# Altium PCB BTF16.PcbDoc (part 1 of 4) (continued)
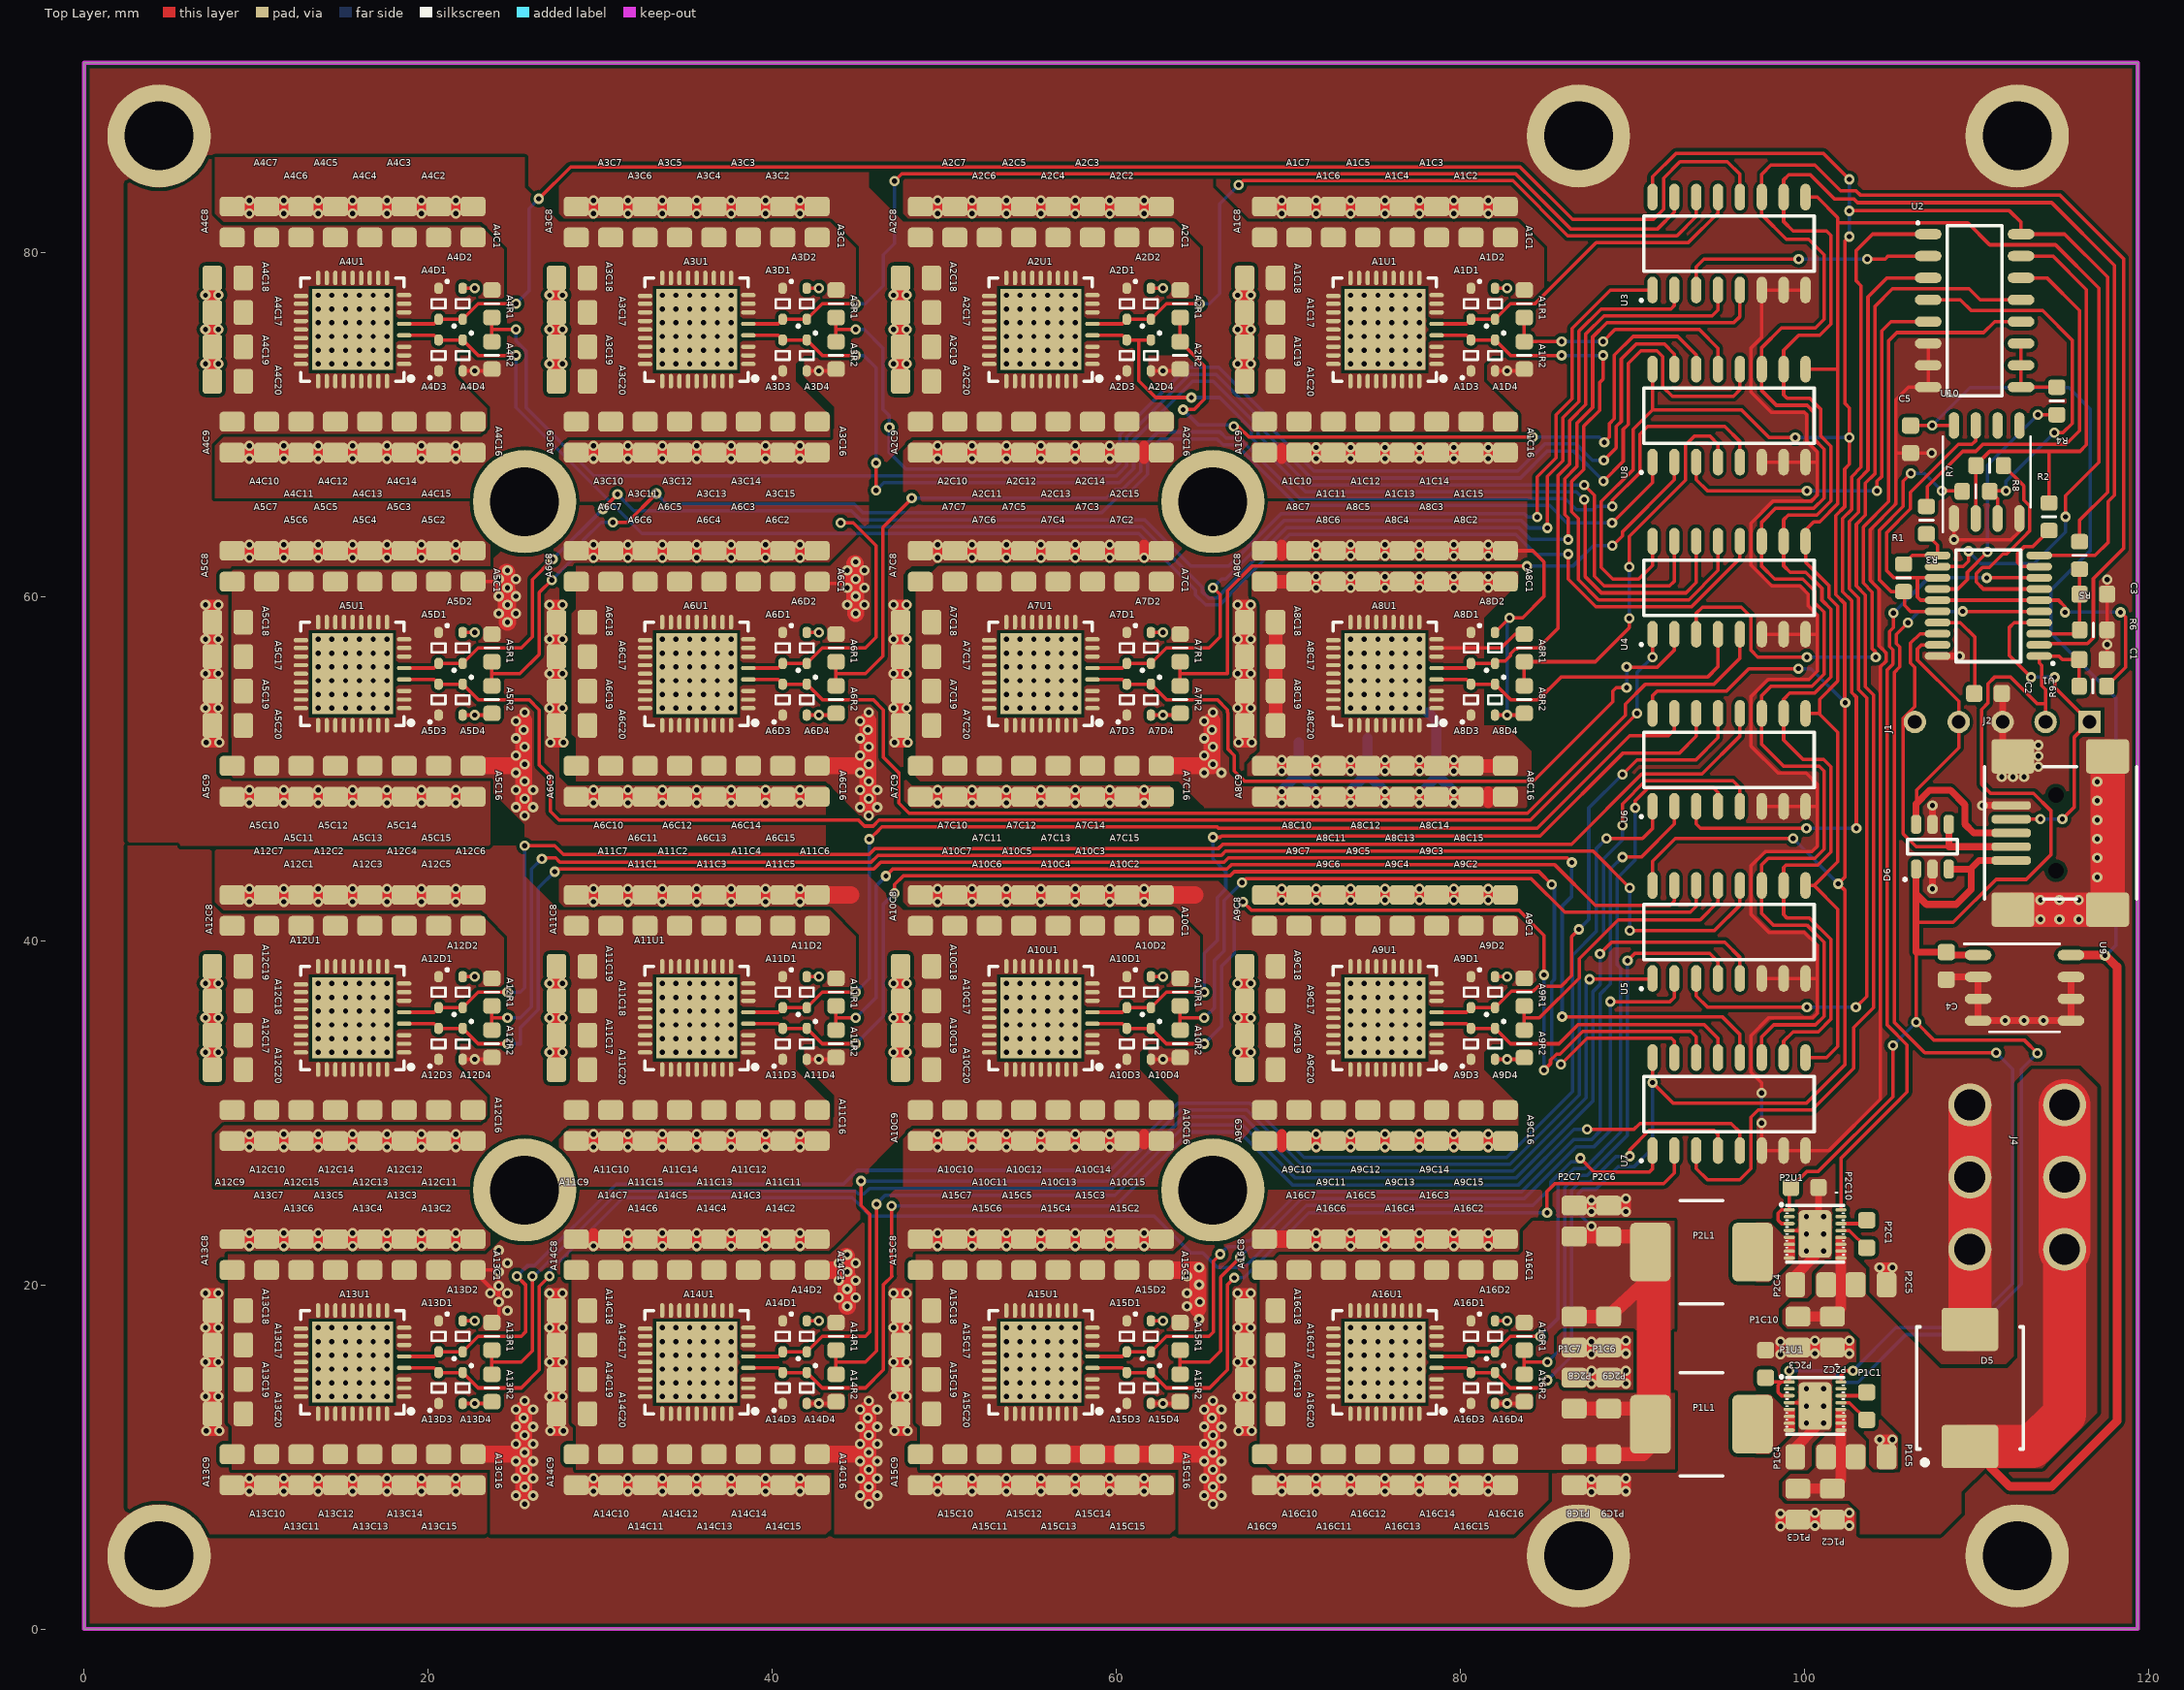
[diagram p0: Top Layer view]
## Components (designator, comment, footprint, x,y, rotation, side; value= is the part's Value field where it differs from the comment) (continued)
A4C12 "22uF" SMD_0805_CAPC2012X95N 14.6,69.25 r270 top (schematic designator C12)
A4C13 "22uF" SMD_0805_CAPC2012X95N 16.6,69.25 r270 top (schematic designator C13)
A4C14 "22uF" SMD_0805_CAPC2012X95N 18.6,69.25 r270 top (schematic designator C14)
A4C15 "22uF" SMD_0805_CAPC2012X95N 20.6,69.25 r270 top (schematic designator C15)
A4C16 "22uF" SMD_0805_CAPC2012X95N 22.6,69.25 r270 top (schematic designator C16)
A4C17 "22uF" SMD_0805_CAPC2012X95N 8.35,76.5 r180 top (schematic designator C17)
A4C18 "22uF" SMD_0805_CAPC2012X95N 8.35,78.5 r180 top (schematic designator C18)
A4C19 "22uF" SMD_0805_CAPC2012X95N 8.35,74.5 r180 top (schematic designator C19)
A4C20 "22uF" SMD_0805_CAPC2012X95N 8.35,72.5 r180 top (schematic designator C20)
A4D1 "D" SMD_SOD523_SOD1608X65N 20.6,77 r270 top (schematic designator D1)
A4D2 "D" SMD_SOD523_SOD1608X65N 22,77 r90 top (schematic designator D2)
A4D3 "D" SMD_SOD523_SOD1608X65N 20.6,74 r90 top (schematic designator D3)
A4D4 "D" SMD_SOD523_SOD1608X65N 22,74 r270 top (schematic designator D4)
A4R1 "1k" SMD_0603_RESC1608X55N 23.7,77 r270 top (schematic designator R1)
A4R2 "1k" SMD_0603_RESC1608X55N 23.7,74 r270 top (schematic designator R2)
A4U1 "IC_BITFURY16" SMD_QFN65P600X600X100-36AN 15.6,75.5 r0 top (schematic designator U1)
A5C1 "22uF" SMD_0805_CAPC2012X95N 22.6,61.75 r90 top (schematic designator C1)
A5C2 "22uF" SMD_0805_CAPC2012X95N 20.6,61.75 r90 top (schematic designator C2)
A5C3 "22uF" SMD_0805_CAPC2012X95N 18.6,61.75 r90 top (schematic designator C3)
A5C4 "22uF" SMD_0805_CAPC2012X95N 16.6,61.75 r90 top (schematic designator C4)
A5C5 "22uF" SMD_0805_CAPC2012X95N 14.6,61.75 r90 top (schematic designator C5)
A5C6 "22uF" SMD_0805_CAPC2012X95N 12.6,61.75 r90 top (schematic designator C6)
A5C7 "22uF" SMD_0805_CAPC2012X95N 10.6,61.75 r90 top (schematic designator C7)
A5C8 "22uF" SMD_0805_CAPC2012X95N 8.6,61.75 r90 top (schematic designator C8)
A5C9 "22uF" SMD_0805_CAPC2012X95N 8.6,49.25 r270 top (schematic designator C9)
A5C10 "22uF" SMD_0805_CAPC2012X95N 10.6,49.25 r270 top (schematic designator C10)
A5C11 "22uF" SMD_0805_CAPC2012X95N 12.6,49.25 r270 top (schematic designator C11)
A5C12 "22uF" SMD_0805_CAPC2012X95N 14.6,49.25 r270 top (schematic designator C12)
A5C13 "22uF" SMD_0805_CAPC2012X95N 16.6,49.25 r270 top (schematic designator C13)
A5C14 "22uF" SMD_0805_CAPC2012X95N 18.6,49.25 r270 top (schematic designator C14)
A5C15 "22uF" SMD_0805_CAPC2012X95N 20.6,49.25 r270 top (schematic designator C15)
A5C16 "22uF" SMD_0805_CAPC2012X95N 22.6,49.25 r270 top (schematic designator C16)
A5C17 "22uF" SMD_0805_CAPC2012X95N 8.35,56.5 r180 top (schematic designator C17)
A5C18 "22uF" SMD_0805_CAPC2012X95N 8.35,58.5 r180 top (schematic designator C18)
A5C19 "22uF" SMD_0805_CAPC2012X95N 8.35,54.5 r180 top (schematic designator C19)
A5C20 "22uF" SMD_0805_CAPC2012X95N 8.35,52.5 r180 top (schematic designator C20)
A5D1 "D" SMD_SOD523_SOD1608X65N 20.6,57 r270 top (schematic designator D1)
A5D2 "D" SMD_SOD523_SOD1608X65N 22,57 r90 top (schematic designator D2)
A5D3 "D" SMD_SOD523_SOD1608X65N 20.6,54 r90 top (schematic designator D3)
A5D4 "D" SMD_SOD523_SOD1608X65N 22,54 r270 top (schematic designator D4)
A5R1 "1k" SMD_0603_RESC1608X55N 23.7,57 r270 top (schematic designator R1)
A5R2 "1k" SMD_0603_RESC1608X55N 23.7,54 r270 top (schematic designator R2)
A5U1 "IC_BITFURY16" SMD_QFN65P600X600X100-36AN 15.6,55.5 r0 top (schematic designator U1)
A6C1 "22uF" SMD_0805_CAPC2012X95N 42.6,61.75 r90 top (schematic designator C1)
A6C2 "22uF" SMD_0805_CAPC2012X95N 40.6,61.75 r90 top (schematic designator C2)
A6C3 "22uF" SMD_0805_CAPC2012X95N 38.6,61.75 r90 top (schematic designator C3)
A6C4 "22uF" SMD_0805_CAPC2012X95N 36.6,61.75 r90 top (schematic designator C4)
A6C5 "22uF" SMD_0805_CAPC2012X95N 34.6,61.75 r90 top (schematic designator C5)
A6C6 "22uF" SMD_0805_CAPC2012X95N 32.6,61.75 r90 top (schematic designator C6)
A6C7 "22uF" SMD_0805_CAPC2012X95N 30.6,61.75 r90 top (schematic designator C7)
A6C8 "22uF" SMD_0805_CAPC2012X95N 28.6,61.75 r90 top (schematic designator C8)
A6C9 "22uF" SMD_0805_CAPC2012X95N 28.6,49.25 r270 top (schematic designator C9)
A6C10 "22uF" SMD_0805_CAPC2012X95N 30.6,49.25 r270 top (schematic designator C10)
A6C11 "22uF" SMD_0805_CAPC2012X95N 32.6,49.25 r270 top (schematic designator C11)
A6C12 "22uF" SMD_0805_CAPC2012X95N 34.6,49.25 r270 top (schematic designator C12)
A6C13 "22uF" SMD_0805_CAPC2012X95N 36.6,49.25 r270 top (schematic designator C13)
A6C14 "22uF" SMD_0805_CAPC2012X95N 38.6,49.25 r270 top (schematic designator C14)
A6C15 "22uF" SMD_0805_CAPC2012X95N 40.6,49.25 r270 top (schematic designator C15)
A6C16 "22uF" SMD_0805_CAPC2012X95N 42.6,49.25 r270 top (schematic designator C16)
A6C17 "22uF" SMD_0805_CAPC2012X95N 28.35,56.5 r180 top (schematic designator C17)
A6C18 "22uF" SMD_0805_CAPC2012X95N 28.35,58.5 r180 top (schematic designator C18)
A6C19 "22uF" SMD_0805_CAPC2012X95N 28.35,54.5 r180 top (schematic designator C19)
A6C20 "22uF" SMD_0805_CAPC2012X95N 28.35,52.5 r180 top (schematic designator C20)
A6D1 "D" SMD_SOD523_SOD1608X65N 40.6,57 r270 top (schematic designator D1)
A6D2 "D" SMD_SOD523_SOD1608X65N 42,57 r90 top (schematic designator D2)
A6D3 "D" SMD_SOD523_SOD1608X65N 40.6,54 r90 top (schematic designator D3)
A6D4 "D" SMD_SOD523_SOD1608X65N 42,54 r270 top (schematic designator D4)
A6R1 "1k" SMD_0603_RESC1608X55N 43.7,57 r270 top (schematic designator R1)
A6R2 "1k" SMD_0603_RESC1608X55N 43.7,54 r270 top (schematic designator R2)
A6U1 "IC_BITFURY16" SMD_QFN65P600X600X100-36AN 35.6,55.5 r0 top (schematic designator U1)
A7C1 "22uF" SMD_0805_CAPC2012X95N 62.6,61.75 r90 top (schematic designator C1)
A7C2 "22uF" SMD_0805_CAPC2012X95N 60.6,61.75 r90 top (schematic designator C2)
A7C3 "22uF" SMD_0805_CAPC2012X95N 58.6,61.75 r90 top (schematic designator C3)
A7C4 "22uF" SMD_0805_CAPC2012X95N 56.6,61.75 r90 top (schematic designator C4)
A7C5 "22uF" SMD_0805_CAPC2012X95N 54.6,61.75 r90 top (schematic designator C5)
A7C6 "22uF" SMD_0805_CAPC2012X95N 52.6,61.75 r90 top (schematic designator C6)
A7C7 "22uF" SMD_0805_CAPC2012X95N 50.6,61.75 r90 top (schematic designator C7)
A7C8 "22uF" SMD_0805_CAPC2012X95N 48.6,61.75 r90 top (schematic designator C8)
A7C9 "22uF" SMD_0805_CAPC2012X95N 48.6,49.25 r270 top (schematic designator C9)
A7C10 "22uF" SMD_0805_CAPC2012X95N 50.6,49.25 r270 top (schematic designator C10)
A7C11 "22uF" SMD_0805_CAPC2012X95N 52.6,49.25 r270 top (schematic designator C11)
A7C12 "22uF" SMD_0805_CAPC2012X95N 54.6,49.25 r270 top (schematic designator C12)
A7C13 "22uF" SMD_0805_CAPC2012X95N 56.6,49.25 r270 top (schematic designator C13)
A7C14 "22uF" SMD_0805_CAPC2012X95N 58.6,49.25 r270 top (schematic designator C14)
A7C15 "22uF" SMD_0805_CAPC2012X95N 60.6,49.25 r270 top (schematic designator C15)
A7C16 "22uF" SMD_0805_CAPC2012X95N 62.6,49.25 r270 top (schematic designator C16)
A7C17 "22uF" SMD_0805_CAPC2012X95N 48.35,56.5 r180 top (schematic designator C17)
A7C18 "22uF" SMD_0805_CAPC2012X95N 48.35,58.5 r180 top (schematic designator C18)
A7C19 "22uF" SMD_0805_CAPC2012X95N 48.35,54.5 r180 top (schematic designator C19)
A7C20 "22uF" SMD_0805_CAPC2012X95N 48.35,52.5 r180 top (schematic designator C20)
A7D1 "D" SMD_SOD523_SOD1608X65N 60.6,57 r270 top (schematic designator D1)
A7D2 "D" SMD_SOD523_SOD1608X65N 62,57 r90 top (schematic designator D2)
A7D3 "D" SMD_SOD523_SOD1608X65N 60.6,54 r90 top (schematic designator D3)
A7D4 "D" SMD_SOD523_SOD1608X65N 62,54 r270 top (schematic designator D4)
A7R1 "1k" SMD_0603_RESC1608X55N 63.7,57 r270 top (schematic designator R1)
A7R2 "1k" SMD_0603_RESC1608X55N 63.7,54 r270 top (schematic designator R2)
A7U1 "IC_BITFURY16" SMD_QFN65P600X600X100-36AN 55.6,55.5 r0 top (schematic designator U1)
A8C1 "22uF" SMD_0805_CAPC2012X95N 82.6,61.75 r90 top (schematic designator C1)
A8C2 "22uF" SMD_0805_CAPC2012X95N 80.6,61.75 r90 top (schematic designator C2)
A8C3 "22uF" SMD_0805_CAPC2012X95N 78.6,61.75 r90 top (schematic designator C3)
A8C4 "22uF" SMD_0805_CAPC2012X95N 76.6,61.75 r90 top (schematic designator C4)
A8C5 "22uF" SMD_0805_CAPC2012X95N 74.6,61.75 r90 top (schematic designator C5)
A8C6 "22uF" SMD_0805_CAPC2012X95N 72.6,61.75 r90 top (schematic designator C6)
A8C7 "22uF" SMD_0805_CAPC2012X95N 70.6,61.75 r90 top (schematic designator C7)
A8C8 "22uF" SMD_0805_CAPC2012X95N 68.6,61.75 r90 top (schematic designator C8)
A8C9 "22uF" SMD_0805_CAPC2012X95N 68.6,49.25 r270 top (schematic designator C9)
A8C10 "22uF" SMD_0805_CAPC2012X95N 70.6,49.25 r270 top (schematic designator C10)
A8C11 "22uF" SMD_0805_CAPC2012X95N 72.6,49.25 r270 top (schematic designator C11)
A8C12 "22uF" SMD_0805_CAPC2012X95N 74.6,49.25 r270 top (schematic designator C12)
A8C13 "22uF" SMD_0805_CAPC2012X95N 76.6,49.25 r270 top (schematic designator C13)
A8C14 "22uF" SMD_0805_CAPC2012X95N 78.6,49.25 r270 top (schematic designator C14)
A8C15 "22uF" SMD_0805_CAPC2012X95N 80.6,49.25 r270 top (schematic designator C15)
A8C16 "22uF" SMD_0805_CAPC2012X95N 82.6,49.25 r270 top (schematic designator C16)
A8C17 "22uF" SMD_0805_CAPC2012X95N 68.35,56.5 r180 top (schematic designator C17)
A8C18 "22uF" SMD_0805_CAPC2012X95N 68.35,58.5 r180 top (schematic designator C18)
A8C19 "22uF" SMD_0805_CAPC2012X95N 68.35,54.5 r180 top (schematic designator C19)
A8C20 "22uF" SMD_0805_CAPC2012X95N 68.35,52.5 r180 top (schematic designator C20)
A8D1 "D" SMD_SOD523_SOD1608X65N 80.6,57 r270 top (schematic designator D1)
A8D2 "D" SMD_SOD523_SOD1608X65N 82,57 r90 top (schematic designator D2)
A8D3 "D" SMD_SOD523_SOD1608X65N 80.6,54 r90 top (schematic designator D3)
A8D4 "D" SMD_SOD523_SOD1608X65N 82,54 r270 top (schematic designator D4)
A8R1 "1k" SMD_0603_RESC1608X55N 83.7,57 r270 top (schematic designator R1)
A8R2 "1k" SMD_0603_RESC1608X55N 83.7,54 r270 top (schematic designator R2)
A8U1 "IC_BITFURY16" SMD_QFN65P600X600X100-36AN 75.6,55.5 r0 top (schematic designator U1)
A9C1 "22uF" SMD_0805_CAPC2012X95N 82.6,41.75 r90 top (schematic designator C1)
A9C2 "22uF" SMD_0805_CAPC2012X95N 80.6,41.75 r90 top (schematic designator C2)
A9C3 "22uF" SMD_0805_CAPC2012X95N 78.6,41.75 r90 top (schematic designator C3)
A9C4 "22uF" SMD_0805_CAPC2012X95N 76.6,41.75 r90 top (schematic designator C4)
A9C5 "22uF" SMD_0805_CAPC2012X95N 74.6,41.75 r90 top (schematic designator C5)
A9C6 "22uF" SMD_0805_CAPC2012X95N 72.6,41.75 r90 top (schematic designator C6)
A9C7 "22uF" SMD_0805_CAPC2012X95N 70.6,41.75 r90 top (schematic designator C7)
A9C8 "22uF" SMD_0805_CAPC2012X95N 68.6,41.75 r90 top (schematic designator C8)
A9C9 "22uF" SMD_0805_CAPC2012X95N 68.6,29.25 r270 top (schematic designator C9)
A9C10 "22uF" SMD_0805_CAPC2012X95N 70.6,29.25 r270 top (schematic designator C10)
A9C11 "22uF" SMD_0805_CAPC2012X95N 72.6,29.25 r270 top (schematic designator C11)
A9C12 "22uF" SMD_0805_CAPC2012X95N 74.6,29.25 r270 top (schematic designator C12)
A9C13 "22uF" SMD_0805_CAPC2012X95N 76.6,29.25 r270 top (schematic designator C13)
A9C14 "22uF" SMD_0805_CAPC2012X95N 78.6,29.25 r270 top (schematic designator C14)
A9C15 "22uF" SMD_0805_CAPC2012X95N 80.6,29.25 r270 top (schematic designator C15)
A9C16 "22uF" SMD_0805_CAPC2012X95N 82.6,29.25 r270 top (schematic designator C16)
A9C17 "22uF" SMD_0805_CAPC2012X95N 68.35,36.5 r180 top (schematic designator C17)
A9C18 "22uF" SMD_0805_CAPC2012X95N 68.35,38.5 r180 top (schematic designator C18)
A9C19 "22uF" SMD_0805_CAPC2012X95N 68.35,34.5 r180 top (schematic designator C19)
A9C20 "22uF" SMD_0805_CAPC2012X95N 68.35,32.5 r180 top (schematic designator C20)
A9D1 "D" SMD_SOD523_SOD1608X65N 80.6,37 r270 top (schematic designator D1)
A9D2 "D" SMD_SOD523_SOD1608X65N 82,37 r90 top (schematic designator D2)
A9D3 "D" SMD_SOD523_SOD1608X65N 80.6,34 r90 top (schematic designator D3)
A9D4 "D" SMD_SOD523_SOD1608X65N 82,34 r270 top (schematic designator D4)
A9R1 "1k" SMD_0603_RESC1608X55N 83.7,37 r270 top (schematic designator R1)
A9R2 "1k" SMD_0603_RESC1608X55N 83.7,34 r270 top (schematic designator R2)
A9U1 "IC_BITFURY16" SMD_QFN65P600X600X100-36AN 75.6,35.5 r0 top (schematic designator U1)
A10C1 "22uF" SMD_0805_CAPC2012X95N 62.6,41.75 r90 top (schematic designator C1)
A10C2 "22uF" SMD_0805_CAPC2012X95N 60.6,41.75 r90 top (schematic designator C2)
A10C3 "22uF" SMD_0805_CAPC2012X95N 58.6,41.75 r90 top (schematic designator C3)
A10C4 "22uF" SMD_0805_CAPC2012X95N 56.6,41.75 r90 top (schematic designator C4)
A10C5 "22uF" SMD_0805_CAPC2012X95N 54.6,41.75 r90 top (schematic designator C5)
A10C6 "22uF" SMD_0805_CAPC2012X95N 52.6,41.75 r90 top (schematic designator C6)
A10C7 "22uF" SMD_0805_CAPC2012X95N 50.6,41.75 r90 top (schematic designator C7)
A10C8 "22uF" SMD_0805_CAPC2012X95N 48.6,41.75 r90 top (schematic designator C8)
A10C9 "22uF" SMD_0805_CAPC2012X95N 48.6,29.25 r270 top (schematic designator C9)
A10C10 "22uF" SMD_0805_CAPC2012X95N 50.6,29.25 r270 top (schematic designator C10)
A10C11 "22uF" SMD_0805_CAPC2012X95N 52.6,29.25 r270 top (schematic designator C11)
A10C12 "22uF" SMD_0805_CAPC2012X95N 54.6,29.25 r270 top (schematic designator C12)
A10C13 "22uF" SMD_0805_CAPC2012X95N 56.6,29.25 r270 top (schematic designator C13)
A10C14 "22uF" SMD_0805_CAPC2012X95N 58.6,29.25 r270 top (schematic designator C14)
A10C15 "22uF" SMD_0805_CAPC2012X95N 60.6,29.25 r270 top (schematic designator C15)
A10C16 "22uF" SMD_0805_CAPC2012X95N 62.6,29.25 r270 top (schematic designator C16)
A10C17 "22uF" SMD_0805_CAPC2012X95N 48.35,36.5 r180 top (schematic designator C17)
A10C18 "22uF" SMD_0805_CAPC2012X95N 48.35,38.5 r180 top (schematic designator C18)
A10C19 "22uF" SMD_0805_CAPC2012X95N 48.35,34.5 r180 top (schematic designator C19)
A10C20 "22uF" SMD_0805_CAPC2012X95N 48.35,32.5 r180 top (schematic designator C20)
A10D1 "D" SMD_SOD523_SOD1608X65N 60.6,37 r270 top (schematic designator D1)
A10D2 "D" SMD_SOD523_SOD1608X65N 62,37 r90 top (schematic designator D2)
A10D3 "D" SMD_SOD523_SOD1608X65N 60.6,34 r90 top (schematic designator D3)
A10D4 "D" SMD_SOD523_SOD1608X65N 62,34 r270 top (schematic designator D4)
A10R1 "1k" SMD_0603_RESC1608X55N 63.7,37 r270 top (schematic designator R1)
A10R2 "1k" SMD_0603_RESC1608X55N 63.7,34 r270 top (schematic designator R2)
A10U1 "IC_BITFURY16" SMD_QFN65P600X600X100-36AN 55.6,35.5 r0 top (schematic designator U1)
A11C1 "22uF" SMD_0805_CAPC2012X95N 32.6,41.75 r90 top (schematic designator C1)
A11C2 "22uF" SMD_0805_CAPC2012X95N 34.6,41.75 r90 top (schematic designator C2)
A11C3 "22uF" SMD_0805_CAPC2012X95N 36.6,41.75 r90 top (schematic designator C3)
A11C4 "22uF" SMD_0805_CAPC2012X95N 38.6,41.75 r90 top (schematic designator C4)
A11C5 "22uF" SMD_0805_CAPC2012X95N 40.6,41.75 r90 top (schematic designator C5)
A11C6 "22uF" SMD_0805_CAPC2012X95N 42.6,41.75 r90 top (schematic designator C6)
A11C7 "22uF" SMD_0805_CAPC2012X95N 30.6,41.75 r90 top (schematic designator C7)
A11C8 "22uF" SMD_0805_CAPC2012X95N 28.6,41.75 r90 top (schematic designator C8)
A11C9 "22uF" SMD_0805_CAPC2012X95N 28.6,29.25 r270 top (schematic designator C9)
A11C10 "22uF" SMD_0805_CAPC2012X95N 30.6,29.25 r270 top (schematic designator C10)
A11C11 "22uF" SMD_0805_CAPC2012X95N 40.6,29.25 r270 top (schematic designator C11)
A11C12 "22uF" SMD_0805_CAPC2012X95N 38.6,29.25 r270 top (schematic designator C12)
A11C13 "22uF" SMD_0805_CAPC2012X95N 36.6,29.25 r270 top (schematic designator C13)
A11C14 "22uF" SMD_0805_CAPC2012X95N 34.6,29.25 r270 top (schematic designator C14)
A11C15 "22uF" SMD_0805_CAPC2012X95N 32.6,29.25 r270 top (schematic designator C15)
A11C16 "22uF" SMD_0805_CAPC2012X95N 42.6,29.25 r270 top (schematic designator C16)
A11C17 "22uF" SMD_0805_CAPC2012X95N 28.35,34.5 r180 top (schematic designator C17)
A11C18 "22uF" SMD_0805_CAPC2012X95N 28.35,36.5 r180 top (schematic designator C18)
A11C19 "22uF" SMD_0805_CAPC2012X95N 28.35,38.5 r180 top (schematic designator C19)
A11C20 "22uF" SMD_0805_CAPC2012X95N 28.35,32.5 r180 top (schematic designator C20)
A11D1 "D" SMD_SOD523_SOD1608X65N 40.6,37 r270 top (schematic designator D1)
A11D2 "D" SMD_SOD523_SOD1608X65N 42,37 r90 top (schematic designator D2)
A11D3 "D" SMD_SOD523_SOD1608X65N 40.6,34 r90 top (schematic designator D3)
A11D4 "D" SMD_SOD523_SOD1608X65N 42,34 r270 top (schematic designator D4)
A11R1 "1k" SMD_0603_RESC1608X55N 43.7,37 r270 top (schematic designator R1)
A11R2 "1k" SMD_0603_RESC1608X55N 43.7,34 r270 top (schematic designator R2)
A11U1 "IC_BITFURY16" SMD_QFN65P600X600X100-36AN 35.6,35.5 r0 top (schematic designator U1)
A12C1 "22uF" SMD_0805_CAPC2012X95N 12.6,41.75 r90 top (schematic designator C1)
A12C2 "22uF" SMD_0805_CAPC2012X95N 14.6,41.75 r90 top (schematic designator C2)
A12C3 "22uF" SMD_0805_CAPC2012X95N 16.6,41.75 r90 top (schematic designator C3)
A12C4 "22uF" SMD_0805_CAPC2012X95N 18.6,41.75 r90 top (schematic designator C4)
A12C5 "22uF" SMD_0805_CAPC2012X95N 20.6,41.75 r90 top (schematic designator C5)
A12C6 "22uF" SMD_0805_CAPC2012X95N 22.6,41.75 r90 top (schematic designator C6)
A12C7 "22uF" SMD_0805_CAPC2012X95N 10.6,41.75 r90 top (schematic designator C7)
A12C8 "22uF" SMD_0805_CAPC2012X95N 8.6,41.75 r90 top (schematic designator C8)
A12C9 "22uF" SMD_0805_CAPC2012X95N 8.6,29.25 r270 top (schematic designator C9)
A12C10 "22uF" SMD_0805_CAPC2012X95N 10.6,29.25 r270 top (schematic designator C10)
A12C11 "22uF" SMD_0805_CAPC2012X95N 20.6,29.25 r270 top (schematic designator C11)
A12C12 "22uF" SMD_0805_CAPC2012X95N 18.6,29.25 r270 top (schematic designator C12)
A12C13 "22uF" SMD_0805_CAPC2012X95N 16.6,29.25 r270 top (schematic designator C13)
A12C14 "22uF" SMD_0805_CAPC2012X95N 14.6,29.25 r270 top (schematic designator C14)
A12C15 "22uF" SMD_0805_CAPC2012X95N 12.6,29.25 r270 top (schematic designator C15)
A12C16 "22uF" SMD_0805_CAPC2012X95N 22.6,29.25 r270 top (schematic designator C16)
A12C17 "22uF" SMD_0805_CAPC2012X95N 8.35,34.5 r180 top (schematic designator C17)
A12C18 "22uF" SMD_0805_CAPC2012X95N 8.35,36.5 r180 top (schematic designator C18)
A12C19 "22uF" SMD_0805_CAPC2012X95N 8.35,38.5 r180 top (schematic designator C19)
A12C20 "22uF" SMD_0805_CAPC2012X95N 8.35,32.5 r180 top (schematic designator C20)
A12D1 "D" SMD_SOD523_SOD1608X65N 20.6,37 r270 top (schematic designator D1)
A12D2 "D" SMD_SOD523_SOD1608X65N 22,37 r90 top (schematic designator D2)
A12D3 "D" SMD_SOD523_SOD1608X65N 20.6,34 r90 top (schematic designator D3)
A12D4 "D" SMD_SOD523_SOD1608X65N 22,34 r270 top (schematic designator D4)
A12R1 "1k" SMD_0603_RESC1608X55N 23.7,37 r270 top (schematic designator R1)
A12R2 "1k" SMD_0603_RESC1608X55N 23.7,34 r270 top (schematic designator R2)
A12U1 "IC_BITFURY16" SMD_QFN65P600X600X100-36AN 15.6,35.5 r0 top (schematic designator U1)
A13C1 "22uF" SMD_0805_CAPC2012X95N 22.6,21.75 r90 top (schematic designator C1)
A13C2 "22uF" SMD_0805_CAPC2012X95N 20.6,21.75 r90 top (schematic designator C2)
A13C3 "22uF" SMD_0805_CAPC2012X95N 18.6,21.75 r90 top (schematic designator C3)
A13C4 "22uF" SMD_0805_CAPC2012X95N 16.6,21.75 r90 top (schematic designator C4)
A13C5 "22uF" SMD_0805_CAPC2012X95N 14.6,21.75 r90 top (schematic designator C5)
A13C6 "22uF" SMD_0805_CAPC2012X95N 12.6,21.75 r90 top (schematic designator C6)
A13C7 "22uF" SMD_0805_CAPC2012X95N 10.6,21.75 r90 top (schematic designator C7)
A13C8 "22uF" SMD_0805_CAPC2012X95N 8.6,21.75 r90 top (schematic designator C8)
A13C9 "22uF" SMD_0805_CAPC2012X95N 8.6,9.25 r270 top (schematic designator C9)
A13C10 "22uF" SMD_0805_CAPC2012X95N 10.6,9.25 r270 top (schematic designator C10)
A13C11 "22uF" SMD_0805_CAPC2012X95N 12.6,9.25 r270 top (schematic designator C11)
A13C12 "22uF" SMD_0805_CAPC2012X95N 14.6,9.25 r270 top (schematic designator C12)
A13C13 "22uF" SMD_0805_CAPC2012X95N 16.6,9.25 r270 top (schematic designator C13)
A13C14 "22uF" SMD_0805_CAPC2012X95N 18.6,9.25 r270 top (schematic designator C14)
A13C15 "22uF" SMD_0805_CAPC2012X95N 20.6,9.25 r270 top (schematic designator C15)
A13C16 "22uF" SMD_0805_CAPC2012X95N 22.6,9.25 r270 top (schematic designator C16)
A13C17 "22uF" SMD_0805_CAPC2012X95N 8.35,16.5 r180 top (schematic designator C17)
A13C18 "22uF" SMD_0805_CAPC2012X95N 8.35,18.5 r180 top (schematic designator C18)
A13C19 "22uF" SMD_0805_CAPC2012X95N 8.35,14.5 r180 top (schematic designator C19)
A13C20 "22uF" SMD_0805_CAPC2012X95N 8.35,12.5 r180 top (schematic designator C20)
A13D1 "D" SMD_SOD523_SOD1608X65N 20.6,17 r270 top (schematic designator D1)
A13D2 "D" SMD_SOD523_SOD1608X65N 22,17 r90 top (schematic designator D2)
A13D3 "D" SMD_SOD523_SOD1608X65N 20.6,14 r90 top (schematic designator D3)
A13D4 "D" SMD_SOD523_SOD1608X65N 22,14 r270 top (schematic designator D4)
A13R1 "1k" SMD_0603_RESC1608X55N 23.7,17 r270 top (schematic designator R1)
A13R2 "1k" SMD_0603_RESC1608X55N 23.7,14 r270 top (schematic designator R2)
A13U1 "IC_BITFURY16" SMD_QFN65P600X600X100-36AN 15.6,15.5 r0 top (schematic designator U1)
A14C1 "22uF" SMD_0805_CAPC2012X95N 42.6,21.75 r90 top (schematic designator C1)
A14C2 "22uF" SMD_0805_CAPC2012X95N 40.6,21.75 r90 top (schematic designator C2)
A14C3 "22uF" SMD_0805_CAPC2012X95N 38.6,21.75 r90 top (schematic designator C3)
A14C4 "22uF" SMD_0805_CAPC2012X95N 36.6,21.75 r90 top (schematic designator C4)
A14C5 "22uF" SMD_0805_CAPC2012X95N 34.6,21.75 r90 top (schematic designator C5)
A14C6 "22uF" SMD_0805_CAPC2012X95N 32.6,21.75 r90 top (schematic designator C6)
A14C7 "22uF" SMD_0805_CAPC2012X95N 30.6,21.75 r90 top (schematic designator C7)
A14C8 "22uF" SMD_0805_CAPC2012X95N 28.6,21.75 r90 top (schematic designator C8)
A14C9 "22uF" SMD_0805_CAPC2012X95N 28.6,9.25 r270 top (schematic designator C9)
A14C10 "22uF" SMD_0805_CAPC2012X95N 30.6,9.25 r270 top (schematic designator C10)
A14C11 "22uF" SMD_0805_CAPC2012X95N 32.6,9.25 r270 top (schematic designator C11)
A14C12 "22uF" SMD_0805_CAPC2012X95N 34.6,9.25 r270 top (schematic designator C12)
A14C13 "22uF" SMD_0805_CAPC2012X95N 36.6,9.25 r270 top (schematic designator C13)
A14C14 "22uF" SMD_0805_CAPC2012X95N 38.6,9.25 r270 top (schematic designator C14)
A14C15 "22uF" SMD_0805_CAPC2012X95N 40.6,9.25 r270 top (schematic designator C15)
A14C16 "22uF" SMD_0805_CAPC2012X95N 42.6,9.25 r270 top (schematic designator C16)
A14C17 "22uF" SMD_0805_CAPC2012X95N 28.35,16.5 r180 top (schematic designator C17)
A14C18 "22uF" SMD_0805_CAPC2012X95N 28.35,18.5 r180 top (schematic designator C18)
A14C19 "22uF" SMD_0805_CAPC2012X95N 28.35,14.5 r180 top (schematic designator C19)
A14C20 "22uF" SMD_0805_CAPC2012X95N 28.35,12.5 r180 top (schematic designator C20)
A14D1 "D" SMD_SOD523_SOD1608X65N 40.6,17 r270 top (schematic designator D1)
A14D2 "D" SMD_SOD523_SOD1608X65N 42,17 r90 top (schematic designator D2)
A14D3 "D" SMD_SOD523_SOD1608X65N 40.6,14 r90 top (schematic designator D3)
A14D4 "D" SMD_SOD523_SOD1608X65N 42,14 r270 top (schematic designator D4)
A14R1 "1k" SMD_0603_RESC1608X55N 43.7,17 r270 top (schematic designator R1)
A14R2 "1k" SMD_0603_RESC1608X55N 43.7,14 r270 top (schematic designator R2)
A14U1 "IC_BITFURY16" SMD_QFN65P600X600X100-36AN 35.6,15.5 r0 top (schematic designator U1)
A15C1 "22uF" SMD_0805_CAPC2012X95N 62.6,21.75 r90 top (schematic designator C1)
A15C2 "22uF" SMD_0805_CAPC2012X95N 60.6,21.75 r90 top (schematic designator C2)
A15C3 "22uF" SMD_0805_CAPC2012X95N 58.6,21.75 r90 top (schematic designator C3)
A15C4 "22uF" SMD_0805_CAPC2012X95N 56.6,21.75 r90 top (schematic designator C4)
A15C5 "22uF" SMD_0805_CAPC2012X95N 54.6,21.75 r90 top (schematic designator C5)
A15C6 "22uF" SMD_0805_CAPC2012X95N 52.6,21.75 r90 top (schematic designator C6)
A15C7 "22uF" SMD_0805_CAPC2012X95N 50.6,21.75 r90 top (schematic designator C7)
A15C8 "22uF" SMD_0805_CAPC2012X95N 48.6,21.75 r90 top (schematic designator C8)
A15C9 "22uF" SMD_0805_CAPC2012X95N 48.6,9.25 r270 top (schematic designator C9)
A15C10 "22uF" SMD_0805_CAPC2012X95N 50.6,9.25 r270 top (schematic designator C10)
A15C11 "22uF" SMD_0805_CAPC2012X95N 52.6,9.25 r270 top (schematic designator C11)
A15C12 "22uF" SMD_0805_CAPC2012X95N 54.6,9.25 r270 top (schematic designator C12)
A15C13 "22uF" SMD_0805_CAPC2012X95N 56.6,9.25 r270 top (schematic designator C13)
A15C14 "22uF" SMD_0805_CAPC2012X95N 58.6,9.25 r270 top (schematic designator C14)
A15C15 "22uF" SMD_0805_CAPC2012X95N 60.6,9.25 r270 top (schematic designator C15)
A15C16 "22uF" SMD_0805_CAPC2012X95N 62.6,9.25 r270 top (schematic designator C16)
A15C17 "22uF" SMD_0805_CAPC2012X95N 48.35,16.5 r180 top (schematic designator C17)
A15C18 "22uF" SMD_0805_CAPC2012X95N 48.35,18.5 r180 top (schematic designator C18)
A15C19 "22uF" SMD_0805_CAPC2012X95N 48.35,14.5 r180 top (schematic designator C19)
A15C20 "22uF" SMD_0805_CAPC2012X95N 48.35,12.5 r180 top (schematic designator C20)
A15D1 "D" SMD_SOD523_SOD1608X65N 60.6,17 r270 top (schematic designator D1)
A15D2 "D" SMD_SOD523_SOD1608X65N 62,17 r90 top (schematic designator D2)
A15D3 "D" SMD_SOD523_SOD1608X65N 60.6,14 r90 top (schematic designator D3)
A15D4 "D" SMD_SOD523_SOD1608X65N 62,14 r270 top (schematic designator D4)
A15R1 "1k" SMD_0603_RESC1608X55N 63.7,17 r270 top (schematic designator R1)
A15R2 "1k" SMD_0603_RESC1608X55N 63.7,14 r270 top (schematic designator R2)
A15U1 "IC_BITFURY16" SMD_QFN65P600X600X100-36AN 55.6,15.5 r0 top (schematic designator U1)
A16C1 "22uF" SMD_0805_CAPC2012X95N 82.6,21.75 r90 top (schematic designator C1)
A16C2 "22uF" SMD_0805_CAPC2012X95N 80.6,21.75 r90 top (schematic designator C2)
A16C3 "22uF" SMD_0805_CAPC2012X95N 78.6,21.75 r90 top (schematic designator C3)
A16C4 "22uF" SMD_0805_CAPC2012X95N 76.6,21.75 r90 top (schematic designator C4)
A16C5 "22uF" SMD_0805_CAPC2012X95N 74.6,21.75 r90 top (schematic designator C5)
A16C6 "22uF" SMD_0805_CAPC2012X95N 72.6,21.75 r90 top (schematic designator C6)
A16C7 "22uF" SMD_0805_CAPC2012X95N 70.6,21.75 r90 top (schematic designator C7)
A16C8 "22uF" SMD_0805_CAPC2012X95N 68.6,21.75 r90 top (schematic designator C8)
A16C9 "22uF" SMD_0805_CAPC2012X95N 68.6,9.25 r270 top (schematic designator C9)
A16C10 "22uF" SMD_0805_CAPC2012X95N 70.6,9.25 r270 top (schematic designator C10)
A16C11 "22uF" SMD_0805_CAPC2012X95N 72.6,9.25 r270 top (schematic designator C11)
A16C12 "22uF" SMD_0805_CAPC2012X95N 74.6,9.25 r270 top (schematic designator C12)
A16C13 "22uF" SMD_0805_CAPC2012X95N 76.6,9.25 r270 top (schematic designator C13)
A16C14 "22uF" SMD_0805_CAPC2012X95N 78.6,9.25 r270 top (schematic designator C14)
A16C15 "22uF" SMD_0805_CAPC2012X95N 80.6,9.25 r270 top (schematic designator C15)
A16C16 "22uF" SMD_0805_CAPC2012X95N 82.6,9.25 r270 top (schematic designator C16)
A16C17 "22uF" SMD_0805_CAPC2012X95N 68.35,16.5 r180 top (schematic designator C17)
A16C18 "22uF" SMD_0805_CAPC2012X95N 68.35,18.5 r180 top (schematic designator C18)
A16C19 "22uF" SMD_0805_CAPC2012X95N 68.35,14.5 r180 top (schematic designator C19)
A16C20 "22uF" SMD_0805_CAPC2012X95N 68.35,12.5 r180 top (schematic designator C20)
A16D1 "D" SMD_SOD523_SOD1608X65N 80.6,17 r270 top (schematic designator D1)
A16D2 "D" SMD_SOD523_SOD1608X65N 82,17 r90 top (schematic designator D2)
A16D3 "D" SMD_SOD523_SOD1608X65N 80.6,14 r90 top (schematic designator D3)
A16D4 "D" SMD_SOD523_SOD1608X65N 82,14 r270 top (schematic designator D4)
A16R1 "1k" SMD_0603_RESC1608X55N 83.7,17 r270 top (schematic designator R1)
A16R2 "1k" SMD_0603_RESC1608X55N 83.7,14 r270 top (schematic designator R2)
A16U1 "IC_BITFURY16" SMD_QFN65P600X600X100-36AN 75.6,15.5 r0 top (schematic designator U1)
C1 "100nF" SMD_0603_CAPC1608X95N 116.75,56.325 r0 top
C2 "1uF" SMD_0603_CAPC1608X95N 110.65,54.35 r0 top
C3 "100nF" SMD_0603_CAPC1608X95N 116.775,60.125 r0 top
C4 "1uF" SMD_0603_CAPC1608X95N 108.225,38.525 r270 top
C5 "1uF" SMD_0603_CAPC1608X95N 106.15,69.125 r90 top
D5 "SMCJ12A" SMD_DO214AC_SMC 109.6,14 r90 top
D6 "SMS05T1G" SMD_SOT95P280X145-6N 107.425,45.45 r90 top
J1 "CON_5PINS" "SIP5 - PGM" 111.475,52.7 r180 top
J2 "CVILUX-CU04-SCM15B0" SMD_CON-CVILUX-CU04-SCM15B0 114.6,46.25 r90 top
J4 "PCI-E WR-MPC4" PTH_CON_WR-MRC4-6P_S 112.35,26.25 r270 top
P1C1 "100nF" SMD_0603_CAPC1608X95N 103.6,12.95 r270 top (schematic designator C1)
P1C2 "22uF" SMD_0805_CAPC2012X95N 101.6,7.25 r270 top (schematic designator C2)
P1C3 "22uF" SMD_0805_CAPC2012X95N 99.6,7.25 r270 top (schematic designator C3)
P1C4 "22uF" SMD_0805_CAPC2012X95N 100.35,10 r180 top (schematic designator C4)
P1C5 "22uF" SMD_0805_CAPC2012X95N 103.85,10 r0 top (schematic designator C5)
P1C6 "22uF" SMD_0805_CAPC2012X95N 88.6,13.7 r90 top (schematic designator C6)
P1C7 "22uF" SMD_0805_CAPC2012X95N 86.6,13.7 r90 top (schematic designator C7)
P1C8 "22uF" SMD_0805_CAPC2012X95N 86.6,9.25 r270 top (schematic designator C8)
P1C9 "22uF" SMD_0805_CAPC2012X95N 88.6,9.25 r270 top (schematic designator C9)
P1C10 "1uF" SMD_0603_CAPC1608X95N 97.725,15.4 r90 top (schematic designator C10)
P1L1 "470nH" SMD_INDM720X665X300 94,11.9 r0 top (schematic designator L1)
P1U1 "CSD95379Q3M" "SMD_SON50P340X340X80-21N - VSON10" 100.6,12.95 r0 top (schematic designator U1)
P2C1 "100nF" SMD_0603_CAPC1608X95N 103.6,22.95 r270 top (schematic designator C1)
P2C2 "22uF" SMD_0805_CAPC2012X95N 101.6,17.25 r270 top (schematic designator C2)
P2C3 "22uF" SMD_0805_CAPC2012X95N 99.6,17.25 r270 top (schematic designator C3)
P2C4 "22uF" SMD_0805_CAPC2012X95N 100.35,20 r180 top (schematic designator C4)
P2C5 "22uF" SMD_0805_CAPC2012X95N 103.85,20 r0 top (schematic designator C5)
P2C6 "22uF" SMD_0805_CAPC2012X95N 88.6,23.7 r90 top (schematic designator C6)
P2C7 "22uF" SMD_0805_CAPC2012X95N 86.6,23.7 r90 top (schematic designator C7)
P2C8 "22uF" SMD_0805_CAPC2012X95N 86.6,17.25 r270 top (schematic designator C8)
P2C9 "22uF" SMD_0805_CAPC2012X95N 88.6,17.25 r270 top (schematic designator C9)
P2C10 "1uF" SMD_0603_CAPC1608X95N 100,25.65 r0 top (schematic designator C10)
P2L1 "470nH" SMD_INDM720X665X300 94,21.9 r0 top (schematic designator L1)
P2U1 "CSD95379Q3M" "SMD_SON50P340X340X80-21N - VSON10" 100.6,22.95 r0 top (schematic designator U1)
R1 "0R N/A" SMD_0603_RESC1608X55N 105.75,61.075 r90 top
R2 "1k" SMD_0603_RESC1608X55N 114.2,64.625 r90 top
R3 "1k" SMD_0603_RESC1608X55N 107.075,64.425 r270 top
R4 "0R" SMD_0603_RESC1608X55N 114.65,71.35 r270 top
R5 "1k" SMD_0603_RESC1608X55N 115.975,62.375 r270 top
R6 "1k" SMD_0603_RESC1608X55N 116.775,58.05 r0 top
R7 "0R" SMD_0603_RESC1608X55N 110.75,67.6 r180 top
R8 "0R" SMD_0603_RESC1608X55N 109.95,66.1 r0 top
R9 "500R" SMD_0603_RESC1608X55N 116.75,54.775 r180 top
U1 "PIC16F1459" SMD_SOP65P640X110-20N 110.675,59.45 r180 top
U2 "74HC4053" SMD_SOIC127P600X175-16N 109.875,76.6 r0 top
U3 "74HC4051" SMD_SOIC127P600X175-16N 95.6,80.5 r90 top
U4 "74HC4051" SMD_SOIC127P600X175-16N 95.6,60.5 r90 top
U5 "74HC4051" SMD_SOIC127P600X175-16N 95.6,40.5 r90 top
U6 "74HC4051" SMD_SOIC127P600X175-16N 95.6,50.5 r90 top
U7 "74HC4051" SMD_SOIC127P600X175-16N 95.6,30.5 r90 top
U8 "74HC4051" SMD_SOIC127P600X175-16N 95.6,70.5 r90 top
U9 "IC_LM2931AD-5.0R2G_SO-8" SMD_SOIC127P600X175-8N 112.775,37.25 r0 top
U10 "LM311" SMD_SOIC127P600X175-8N 110.575,67.225 r90 top

## Footprints (in the part's own frame and the unit in brackets; to place one, negate y for a bottom-side part, rotate by r counter-clockwise, add the part's x,y. Pads: shape width x height; smd on the part's side, far side on the other; paste and mask are expansions set on the pad)
PTH_CON_WR-MRC4-6P_S [mm]
  round 2.5 hole 1.8 mask+0.075: 1(-4.2,2.75) 2(0,2.75) 3(4.2,2.75) 4(-4.2,-2.75) 5(0,-2.75) 6(4.2,-2.75)
  body extent -7.25,-6.3 6.95,4.8, height 12.8
"SIP5 - PGM" [mm]
  rect 1.3x1.3 hole 0.8: 1(-5.075,0)
  round 1.3 hole 0.8: 2(-2.525,0) 3(-0.025,0) 4(2.525,0) 5(5.075,0)
SMD_0603_CAPC1608X95N [mm]
  rrect42% 0.95x1 smd mask+0.075: 1(-0.8,0) 2(0.8,0)
  body extent -0.8,-0.4 0.8,0.4, height 0.95
SMD_0603_RESC1608X55N [mm]
  rrect44% 0.9x1 smd mask+0.075: 1(-0.8,0) 2(0.8,0)
  silkscreen extent 0,-0.4 0,0.4, body extent -0.8,-0.4 0.8,0.4, height 0.55
SMD_0805_CAPC2012X95N [mm]
  rrect35% 1.15x1.45 smd mask+0.075: 1(-0.9,0) 2(0.9,0)
  body extent -1,-0.62 1,0.63, height 1.25
SMD_CON-CVILUX-CU04-SCM15B0 [mm]
  rrect80% 0.5x2.3 smd mask+0.075: 1(-1.6,2.6) 2(-0.8,2.6) 3(0,2.6) 4(0.8,2.6) 5(1.6,2.6)
  rrect20% 2x2.5 smd mask+0.075: 6(4.45,2.5) 7(4.45,-3) 8(-4.45,-3) 9(-4.45,2.5)
  round 0.5 hole 0.9 unplated mask+0.275: 10(-2.2,0) 11(2.2,0)
  silkscreen extent -3.85,-4.7 3.85,4.15, body extent -4.95,-5.9 4.95,3.1, height 3.95
SMD_DO214AC_SMC [mm]
  rrect16% 2.5x3.3 smd mask+0.075: 1(-3.4,0) 2(3.4,0)
  silkscreen extent -4.47,-3.1 3.55,3.1, body extent -4.06,-3.11 4.07,3.11, height 2.62
SMD_INDM720X665X300 [mm] "ASPI-0630LR"
  rrect25% 2.35x3.4 smd mask+0.075: 1(-2.975,0) 2(2.975,0)
  silkscreen extent -1.25,-3 1.25,3, body extent -3.6,-3.32 3.6,3.33, height 3
SMD_QFN65P600X600X100-36AN [mm]
  oval 0.85x0.25 smd mask+0.05: 1(-3,1.95) 2(-3,1.5) 3(-3,1) 4(-3,0.5) 5(-3,0) 6(-3,-0.5) 7(-3,-1) 8(-3,-1.5) 9(-3,-2) 19(3,-2) 20(3,-1.5) 21(3,-1) 22(3,-0.333) 23(3,0.333) 24(3,1) 25(3,1.5) 26(3,2)
  oval 0.25x0.85 smd mask+0.05: 10(-2,-3) 11(-1.5,-3) 12(-1,-3) 13(-0.5,-3) 14(0,-3) 15(0.5,-3) 16(1,-3) 17(1.5,-3) 18(2,-3) 27(2,3) 28(1.5,3) 29(1,3) 30(0.5,3) 31(0,3) 32(-0.5,3) 33(-1,3) 34(-1.5,3) 35(-2,3)
  rect 4.7x4.7 smd paste-0.95 mask+0.05: 36(0,0)
  silkscreen extent -3,-3 3.53,3, body extent -3.01,-3.01 3,3, height 1
SMD_SOD523_SOD1608X65N [mm]
  rrect80% 0.65x0.5 smd mask+0.075: 1(-0.9,0) 2(0.9,0)
  silkscreen extent -1.45,-0.4 0.25,0.65, body extent -0.8,-0.4 0.8,0.4, height 0.7
SMD_SOIC127P600X175-8N [mm]
  oval 1.55x0.6 smd mask+0.075: 1(-2.7,1.905) 2(-2.7,0.635) 3(-2.7,-0.635) 4(-2.7,-1.905) 5(2.7,-1.905) 6(2.7,-0.635) 7(2.7,0.635) 8(2.7,1.905)
  silkscreen extent -3.5,-2.55 2.05,2.55, body extent -3,-2.5 3,2.5, height 1.75
SMD_SOIC127P600X175-16N [mm]
  oval 1.55x0.6 smd mask+0.075: 1(-2.7,4.445) 2(-2.7,3.175) 3(-2.7,1.905) 4(-2.7,0.635) 5(-2.7,-0.635) 6(-2.7,-1.905) 7(-2.7,-3.175) 8(-2.7,-4.445) 9(2.7,-4.445) 10(2.7,-3.175) 11(2.7,-1.905) 12(2.7,-0.635) 13(2.7,0.635) 14(2.7,1.905) 15(2.7,3.175) 16(2.7,4.445)
  silkscreen extent -3.35,-4.95 1.6,5.15, body extent -3,-5 3,5, height 1.75